# Allegro board LED_FIN.brd (continued)
## Routing (per net, layer and track width the routed paths; a pad name or vN(x,y) marks a point on that pad's centre or on a via; arc(x,y) is an arc through that point) (continued)
  BOTTOM w0.15: v1(137.25,316.8) v1(137.25,314.8) v1(137.25,312.8) v1(137.25,310.8) v1(137.25,308.8) v1(137.25,306.8) v1(137.25,304.8) v1(137.25,302.8) v1(137.25,300.8) v1(137.25,298.8) v1(137.25,296.8) v1(137.25,294.8) v1(137.25,292.8) v1(137.25,290.8) v1(137.25,288.8) v1(137.25,286.8) v1(137.25,284.8) v1(137.25,282.8) v1(137.25,280.8) v1(137.25,278.8) v1(137.25,276.8) v1(137.25,274.8) v1(137.25,272.8) v1(137.25,270.8) v1(137.25,268.8) v1(137.25,266.8) v1(137.25,264.8) v1(137.25,262.8) v1(137.25,260.8) v1(137.25,258.8) v1(137.25,256.8) v1(137.25,254.8) v1(137.25,252.8) v1(137.25,250.8) v1(137.25,248.8) v1(137.25,246.8) v1(137.25,244.8) v1(137.25,242.8) 136.55,242.1 v1(136.55,132.8) ; v1(136.55,128.8) v1(136.55,99.8)
COL_OUT_B71: length 244.8
  TOP w0.15: D6679.1 v1(135.25,252.8) ; D5719.1 v1(135.25,316.8) ; D6439.1 v1(135.25,268.8) ; D6649.1 v1(135.25,254.8) ; D5899.1 v1(135.25,304.8) ; D5779.1 v1(135.25,312.8) ; D6619.1 v1(135.25,256.8) ; D6199.1 v1(135.25,284.8) ; D5869.1 v1(135.25,306.8) ; D6469.1 v1(135.25,266.8) ; D6499.1 v1(135.25,264.8) ; D5989.1 v1(135.25,298.8) ; D6169.1 v1(135.25,286.8) ; D6139.1 v1(135.25,288.8) ; D6079.1 v1(135.25,292.8) ; D6379.1 v1(135.25,272.8) ; D5839.1 v1(135.25,308.8) ; D6229.1 v1(135.25,282.8) ; D6319.1 v1(135.25,276.8) ; D6019.1 v1(135.25,296.8) ; D6589.1 v1(135.25,258.8) ; D5749.1 v1(135.25,314.8) ; D5809.1 v1(135.25,310.8) ; D6829.1 v1(135.25,242.8) ; D6769.1 v1(135.25,246.8) ; D6049.1 v1(135.25,294.8) ; D6289.1 v1(135.25,278.8) ; D6709.1 v1(135.25,250.8) ; D6529.1 v1(135.25,262.8) ; D6109.1 v1(135.25,290.8) ; D6259.1 v1(135.25,280.8) ; D6559.1 v1(135.25,260.8) ; v1(134.55,99.8) R169.1 ; D5959.1 v1(135.25,300.8) ; D6349.1 v1(135.25,274.8) ; D6409.1 v1(135.25,270.8) ; D6739.1 v1(135.25,248.8) ; D5929.1 v1(135.25,302.8) ; D6799.1 v1(135.25,244.8)
  BOTTOM w0.15: v1(134.55,99.8) 134.36,99.99 134.36,131.75 134.55,131.94 134.55,242.1 v1(135.25,242.8) v1(135.25,244.8) v1(135.25,246.8) v1(135.25,248.8) v1(135.25,250.8) v1(135.25,252.8) v1(135.25,254.8) v1(135.25,256.8) v1(135.25,258.8) v1(135.25,260.8) v1(135.25,262.8) v1(135.25,264.8) v1(135.25,266.8) v1(135.25,268.8) v1(135.25,270.8) v1(135.25,272.8) v1(135.25,274.8) v1(135.25,276.8) v1(135.25,278.8) v1(135.25,280.8) v1(135.25,282.8) v1(135.25,284.8) v1(135.25,286.8) v1(135.25,288.8) v1(135.25,290.8) v1(135.25,292.8) v1(135.25,294.8) v1(135.25,296.8) v1(135.25,298.8) v1(135.25,300.8) v1(135.25,302.8) v1(135.25,304.8) v1(135.25,306.8) v1(135.25,308.8) v1(135.25,310.8) v1(135.25,312.8) v1(135.25,314.8) v1(135.25,316.8)
COL_OUT_B72: length 245.1
  TOP w0.15: D6078.1 v1(133.25,292.8) ; D6198.1 v1(133.25,284.8) ; D6468.1 v1(133.25,266.8) ; D6258.1 v1(133.25,280.8) ; D6558.1 v1(133.25,260.8) ; v1(132.55,99.8) R168.1 ; D6378.1 v1(133.25,272.8) ; D5928.1 v1(133.25,302.8) ; D6318.1 v1(133.25,276.8) ; D6708.1 v1(133.25,250.8) ; D6288.1 v1(133.25,278.8) ; D5778.1 v1(133.25,312.8) ; D5898.1 v1(133.25,304.8) ; D6108.1 v1(133.25,290.8) ; D6678.1 v1(133.25,252.8) ; v1(132.55,128.8) 133.02,129.27 133.02,132.33 v1(132.55,132.8) ; D5808.1 v1(133.25,310.8) ; D5868.1 v1(133.25,306.8) ; D6648.1 v1(133.25,254.8) ; D6348.1 v1(133.25,274.8) ; D6798.1 v1(133.25,244.8) ; D5718.1 v1(133.25,316.8) ; D6588.1 v1(133.25,258.8) ; D6768.1 v1(133.25,246.8) ; D6018.1 v1(133.25,296.8) ; D5958.1 v1(133.25,300.8) ; D6498.1 v1(133.25,264.8) ; D6528.1 v1(133.25,262.8) ; D6738.1 v1(133.25,248.8) ; D6138.1 v1(133.25,288.8) ; D6048.1 v1(133.25,294.8) ; D6168.1 v1(133.25,286.8) ; D5748.1 v1(133.25,314.8) ; D6828.1 v1(133.25,242.8) ; D6618.1 v1(133.25,256.8) ; D5988.1 v1(133.25,298.8) ; D6228.1 v1(133.25,282.8) ; D6438.1 v1(133.25,268.8) ; D5838.1 v1(133.25,308.8) ; D6408.1 v1(133.25,270.8)
  BOTTOM w0.15: v1(132.55,128.8) v1(132.55,99.8) ; v1(132.55,132.8) 132.55,242.1 v1(133.25,242.8) v1(133.25,244.8) v1(133.25,246.8) v1(133.25,248.8) v1(133.25,250.8) v1(133.25,252.8) v1(133.25,254.8) v1(133.25,256.8) v1(133.25,258.8) v1(133.25,260.8) v1(133.25,262.8) v1(133.25,264.8) v1(133.25,266.8) v1(133.25,268.8) v1(133.25,270.8) v1(133.25,272.8) v1(133.25,274.8) v1(133.25,276.8) v1(133.25,278.8) v1(133.25,280.8) v1(133.25,282.8) v1(133.25,284.8) v1(133.25,286.8) v1(133.25,288.8) v1(133.25,290.8) v1(133.25,292.8) v1(133.25,294.8) v1(133.25,296.8) v1(133.25,298.8) v1(133.25,300.8) v1(133.25,302.8) v1(133.25,304.8) v1(133.25,306.8) v1(133.25,308.8) v1(133.25,310.8) v1(133.25,312.8) v1(133.25,314.8) v1(133.25,316.8)
COL_OUT_B73: length 245.1
  TOP w0.15: D6437.1 v1(131.25,268.8) ; D6047.1 v1(131.25,294.8) ; D5777.1 v1(131.25,312.8) ; D6647.1 v1(131.25,254.8) ; D6257.1 v1(131.25,280.8) ; D6407.1 v1(131.25,270.8) ; D6347.1 v1(131.25,274.8) ; D6497.1 v1(131.25,264.8) ; D6557.1 v1(131.25,260.8) ; D6197.1 v1(131.25,284.8) ; D6767.1 v1(131.25,246.8) ; D6167.1 v1(131.25,286.8) ; v1(130.55,99.8) R167.1 ; D6797.1 v1(131.25,244.8) ; D6077.1 v1(131.25,292.8) ; D6677.1 v1(131.25,252.8) ; D6017.1 v1(131.25,296.8) ; D5717.1 v1(131.25,316.8) ; D6317.1 v1(131.25,276.8) ; D5837.1 v1(131.25,308.8) ; D5807.1 v1(131.25,310.8) ; D6287.1 v1(131.25,278.8) ; D6587.1 v1(131.25,258.8) ; D6107.1 v1(131.25,290.8) ; D6377.1 v1(131.25,272.8) ; D6617.1 v1(131.25,256.8) ; D6827.1 v1(131.25,242.8) ; D5927.1 v1(131.25,302.8) ; D5897.1 v1(131.25,304.8) ; D5957.1 v1(131.25,300.8) ; D6227.1 v1(131.25,282.8) ; D5867.1 v1(131.25,306.8) ; D6527.1 v1(131.25,262.8) ; D6137.1 v1(131.25,288.8) ; D5987.1 v1(131.25,298.8) ; D5747.1 v1(131.25,314.8) ; D6737.1 v1(131.25,248.8) ; D6707.1 v1(131.25,250.8) ; D6467.1 v1(131.25,266.8)
  BOTTOM w0.15: v1(131.25,316.8) v1(131.25,314.8) v1(131.25,312.8) v1(131.25,310.8) v1(131.25,308.8) v1(131.25,306.8) v1(131.25,304.8) v1(131.25,302.8) v1(131.25,300.8) v1(131.25,298.8) v1(131.25,296.8) v1(131.25,294.8) v1(131.25,292.8) v1(131.25,290.8) v1(131.25,288.8) v1(131.25,286.8) v1(131.25,284.8) v1(131.25,282.8) v1(131.25,280.8) v1(131.25,278.8) v1(131.25,276.8) v1(131.25,274.8) v1(131.25,272.8) v1(131.25,270.8) v1(131.25,268.8) v1(131.25,266.8) v1(131.25,264.8) v1(131.25,262.8) v1(131.25,260.8) v1(131.25,258.8) v1(131.25,256.8) v1(131.25,254.8) v1(131.25,252.8) v1(131.25,250.8) v1(131.25,248.8) v1(131.25,246.8) v1(131.25,244.8) v1(131.25,242.8) 130.55,242.1 130.55,132.72 130.99,132.28 130.99,129.45 130.55,129.01 v1(130.55,99.8)
COL_OUT_B74: length 245.1
  TOP w0.15: D5956.1 v1(129.25,300.8) ; D6586.1 v1(129.25,258.8) ; D6526.1 v1(129.25,262.8) ; D6376.1 v1(129.25,272.8) ; D6496.1 v1(129.25,264.8) ; D6556.1 v1(129.25,260.8) ; D6286.1 v1(129.25,278.8) ; D6766.1 v1(129.25,246.8) ; D6346.1 v1(129.25,274.8) ; D6076.1 v1(129.25,292.8) ; D5896.1 v1(129.25,304.8) ; D6166.1 v1(129.25,286.8) ; D6016.1 v1(129.25,296.8) ; D6226.1 v1(129.25,282.8) ; D6826.1 v1(129.25,242.8) ; D6256.1 v1(129.25,280.8) ; D5926.1 v1(129.25,302.8) ; D6046.1 v1(129.25,294.8) ; D6706.1 v1(129.25,250.8) ; D5836.1 v1(129.25,308.8) ; D6436.1 v1(129.25,268.8) ; D6616.1 v1(129.25,256.8) ; D5986.1 v1(129.25,298.8) ; D5866.1 v1(129.25,306.8) ; D5746.1 v1(129.25,314.8) ; D6796.1 v1(129.25,244.8) ; D6106.1 v1(129.25,290.8) ; D6646.1 v1(129.25,254.8) ; D6316.1 v1(129.25,276.8) ; D5716.1 v1(129.25,316.8) ; D6736.1 v1(129.25,248.8) ; D6466.1 v1(129.25,266.8) ; D6196.1 v1(129.25,284.8) ; D6136.1 v1(129.25,288.8) ; D6676.1 v1(129.25,252.8) ; v1(128.55,99.8) R166.1 ; D6406.1 v1(129.25,270.8) ; D5776.1 v1(129.25,312.8) ; D5806.1 v1(129.25,310.8)
  BOTTOM w0.15: v1(128.55,99.8) 128.08,100.27 128.08,131.75 128.55,132.22 128.55,242.1 v1(129.25,242.8) v1(129.25,244.8) v1(129.25,246.8) v1(129.25,248.8) v1(129.25,250.8) v1(129.25,252.8) v1(129.25,254.8) v1(129.25,256.8) v1(129.25,258.8) v1(129.25,260.8) v1(129.25,262.8) v1(129.25,264.8) v1(129.25,266.8) v1(129.25,268.8) v1(129.25,270.8) v1(129.25,272.8) v1(129.25,274.8) v1(129.25,276.8) v1(129.25,278.8) v1(129.25,280.8) v1(129.25,282.8) v1(129.25,284.8) v1(129.25,286.8) v1(129.25,288.8) v1(129.25,290.8) v1(129.25,292.8) v1(129.25,294.8) v1(129.25,296.8) v1(129.25,298.8) v1(129.25,300.8) v1(129.25,302.8) v1(129.25,304.8) v1(129.25,306.8) v1(129.25,308.8) v1(129.25,310.8) v1(129.25,312.8) v1(129.25,314.8) v1(129.25,316.8)
COL_OUT_B75: length 244.8
  TOP w0.15: D5955.1 v1(127.25,300.8) ; D5745.1 v1(127.25,314.8) ; D6585.1 v1(127.25,258.8) ; D6465.1 v1(127.25,266.8) ; D5985.1 v1(127.25,298.8) ; D5895.1 v1(127.25,304.8) ; D6225.1 v1(127.25,282.8) ; D6105.1 v1(127.25,290.8) ; D6135.1 v1(127.25,288.8) ; D6255.1 v1(127.25,280.8) ; D5715.1 v1(127.25,316.8) ; D5835.1 v1(127.25,308.8) ; D6555.1 v1(127.25,260.8) ; D6765.1 v1(127.25,246.8) ; D6315.1 v1(127.25,276.8) ; D5775.1 v1(127.25,312.8) ; D6825.1 v1(127.25,242.8) ; D6705.1 v1(127.25,250.8) ; D6675.1 v1(127.25,252.8) ; D5925.1 v1(127.25,302.8) ; D6735.1 v1(127.25,248.8) ; D6495.1 v1(127.25,264.8) ; D6015.1 v1(127.25,296.8) ; D6345.1 v1(127.25,274.8) ; v1(126.55,132.8) 126.74,132.61 126.74,128.99 v1(126.55,128.8) ; D6645.1 v1(127.25,254.8) ; D6165.1 v1(127.25,286.8) ; D6075.1 v1(127.25,292.8) ; D6615.1 v1(127.25,256.8) ; D6195.1 v1(127.25,284.8) ; D5805.1 v1(127.25,310.8) ; D6375.1 v1(127.25,272.8) ; D6045.1 v1(127.25,294.8) ; D5865.1 v1(127.25,306.8) ; D6435.1 v1(127.25,268.8) ; D6405.1 v1(127.25,270.8) ; D6285.1 v1(127.25,278.8) ; D6525.1 v1(127.25,262.8) ; v1(126.55,99.8) R165.1 ; D6795.1 v1(127.25,244.8)
  BOTTOM w0.15: v1(127.25,316.8) v1(127.25,314.8) v1(127.25,312.8) v1(127.25,310.8) v1(127.25,308.8) v1(127.25,306.8) v1(127.25,304.8) v1(127.25,302.8) v1(127.25,300.8) v1(127.25,298.8) v1(127.25,296.8) v1(127.25,294.8) v1(127.25,292.8) v1(127.25,290.8) v1(127.25,288.8) v1(127.25,286.8) v1(127.25,284.8) v1(127.25,282.8) v1(127.25,280.8) v1(127.25,278.8) v1(127.25,276.8) v1(127.25,274.8) v1(127.25,272.8) v1(127.25,270.8) v1(127.25,268.8) v1(127.25,266.8) v1(127.25,264.8) v1(127.25,262.8) v1(127.25,260.8) v1(127.25,258.8) v1(127.25,256.8) v1(127.25,254.8) v1(127.25,252.8) v1(127.25,250.8) v1(127.25,248.8) v1(127.25,246.8) v1(127.25,244.8) v1(127.25,242.8) 126.55,242.1 v1(126.55,132.8) ; v1(126.55,128.8) v1(126.55,99.8)
COL_OUT_B76: length 244.9
  TOP w0.15: D5924.1 v1(125.25,302.8) ; v1(124.55,99.8) R164.1 ; D6314.1 v1(125.25,276.8) ; D6404.1 v1(125.25,270.8) ; D6554.1 v1(125.25,260.8) ; D6374.1 v1(125.25,272.8) ; D5834.1 v1(125.25,308.8) ; D5954.1 v1(125.25,300.8) ; D6284.1 v1(125.25,278.8) ; D6464.1 v1(125.25,266.8) ; D6494.1 v1(125.25,264.8) ; D5714.1 v1(125.25,316.8) ; D6344.1 v1(125.25,274.8) ; D6674.1 v1(125.25,252.8) ; D6014.1 v1(125.25,296.8) ; D6044.1 v1(125.25,294.8) ; D5774.1 v1(125.25,312.8) ; D6794.1 v1(125.25,244.8) ; D5894.1 v1(125.25,304.8) ; D6134.1 v1(125.25,288.8) ; D5744.1 v1(125.25,314.8) ; D6584.1 v1(125.25,258.8) ; D6734.1 v1(125.25,248.8) ; D5984.1 v1(125.25,298.8) ; D5864.1 v1(125.25,306.8) ; D6524.1 v1(125.25,262.8) ; D6824.1 v1(125.25,242.8) ; D6104.1 v1(125.25,290.8) ; D6224.1 v1(125.25,282.8) ; D6194.1 v1(125.25,284.8) ; D6764.1 v1(125.25,246.8) ; D5804.1 v1(125.25,310.8) ; D6614.1 v1(125.25,256.8) ; D6254.1 v1(125.25,280.8) ; D6164.1 v1(125.25,286.8) ; D6434.1 v1(125.25,268.8) ; D6074.1 v1(125.25,292.8) ; D6644.1 v1(125.25,254.8) ; D6704.1 v1(125.25,250.8)
  BOTTOM w0.15: v1(125.25,316.8) v1(125.25,314.8) v1(125.25,312.8) v1(125.25,310.8) v1(125.25,308.8) v1(125.25,306.8) v1(125.25,304.8) v1(125.25,302.8) v1(125.25,300.8) v1(125.25,298.8) v1(125.25,296.8) v1(125.25,294.8) v1(125.25,292.8) v1(125.25,290.8) v1(125.25,288.8) v1(125.25,286.8) v1(125.25,284.8) v1(125.25,282.8) v1(125.25,280.8) v1(125.25,278.8) v1(125.25,276.8) v1(125.25,274.8) v1(125.25,272.8) v1(125.25,270.8) v1(125.25,268.8) v1(125.25,266.8) v1(125.25,264.8) v1(125.25,262.8) v1(125.25,260.8) v1(125.25,258.8) v1(125.25,256.8) v1(125.25,254.8) v1(125.25,252.8) v1(125.25,250.8) v1(125.25,248.8) v1(125.25,246.8) v1(125.25,244.8) v1(125.25,242.8) 124.55,242.1 124.55,132.03 124.27,131.75 124.27,100.58 124.55,100.3 v1(124.55,99.8)
COL_OUT_B77: length 245
  TOP w0.15: D6043.1 v1(123.25,294.8) ; v1(122.55,128.8) 122.93,129.18 122.93,132.42 v1(122.55,132.8) ; D6703.1 v1(123.25,250.8) ; D6193.1 v1(123.25,284.8) ; D5953.1 v1(123.25,300.8) ; D6313.1 v1(123.25,276.8) ; D6253.1 v1(123.25,280.8) ; D6643.1 v1(123.25,254.8) ; D6343.1 v1(123.25,274.8) ; D6673.1 v1(123.25,252.8) ; D6493.1 v1(123.25,264.8) ; D5773.1 v1(123.25,312.8) ; v1(122.55,99.8) R163.1 ; D6403.1 v1(123.25,270.8) ; D5833.1 v1(123.25,308.8) ; D6133.1 v1(123.25,288.8) ; D6553.1 v1(123.25,260.8) ; D5923.1 v1(123.25,302.8) ; D6763.1 v1(123.25,246.8) ; D6073.1 v1(123.25,292.8) ; D6823.1 v1(123.25,242.8) ; D6463.1 v1(123.25,266.8) ; D6613.1 v1(123.25,256.8) ; D6793.1 v1(123.25,244.8) ; D6283.1 v1(123.25,278.8) ; D6583.1 v1(123.25,258.8) ; D5713.1 v1(123.25,316.8) ; D6733.1 v1(123.25,248.8) ; D6223.1 v1(123.25,282.8) ; D5743.1 v1(123.25,314.8) ; D6523.1 v1(123.25,262.8) ; D5893.1 v1(123.25,304.8) ; D5983.1 v1(123.25,298.8) ; D6433.1 v1(123.25,268.8) ; D6103.1 v1(123.25,290.8) ; D6163.1 v1(123.25,286.8) ; D6013.1 v1(123.25,296.8) ; D5803.1 v1(123.25,310.8) ; D5863.1 v1(123.25,306.8) ; D6373.1 v1(123.25,272.8)
  BOTTOM w0.15: v1(122.55,128.8) v1(122.55,99.8) ; v1(123.25,316.8) v1(123.25,314.8) v1(123.25,312.8) v1(123.25,310.8) v1(123.25,308.8) v1(123.25,306.8) v1(123.25,304.8) v1(123.25,302.8) v1(123.25,300.8) v1(123.25,298.8) v1(123.25,296.8) v1(123.25,294.8) v1(123.25,292.8) v1(123.25,290.8) v1(123.25,288.8) v1(123.25,286.8) v1(123.25,284.8) v1(123.25,282.8) v1(123.25,280.8) v1(123.25,278.8) v1(123.25,276.8) v1(123.25,274.8) v1(123.25,272.8) v1(123.25,270.8) v1(123.25,268.8) v1(123.25,266.8) v1(123.25,264.8) v1(123.25,262.8) v1(123.25,260.8) v1(123.25,258.8) v1(123.25,256.8) v1(123.25,254.8) v1(123.25,252.8) v1(123.25,250.8) v1(123.25,248.8) v1(123.25,246.8) v1(123.25,244.8) v1(123.25,242.8) 122.55,242.1 v1(122.55,132.8)
COL_OUT_B78: length 244.8
  TOP w0.15: D6072.1 v1(121.25,292.8) ; D5742.1 v1(121.25,314.8) ; D6762.1 v1(121.25,246.8) ; D6252.1 v1(121.25,280.8) ; D6612.1 v1(121.25,256.8) ; D5982.1 v1(121.25,298.8) ; D6312.1 v1(121.25,276.8) ; D6222.1 v1(121.25,282.8) ; D6132.1 v1(121.25,288.8) ; D6042.1 v1(121.25,294.8) ; D5832.1 v1(121.25,308.8) ; D6552.1 v1(121.25,260.8) ; D5922.1 v1(121.25,302.8) ; D6282.1 v1(121.25,278.8) ; D5712.1 v1(121.25,316.8) ; D6522.1 v1(121.25,262.8) ; D6192.1 v1(121.25,284.8) ; D5892.1 v1(121.25,304.8) ; D5952.1 v1(121.25,300.8) ; D6342.1 v1(121.25,274.8) ; D6822.1 v1(121.25,242.8) ; D6672.1 v1(121.25,252.8) ; D5772.1 v1(121.25,312.8) ; D5862.1 v1(121.25,306.8) ; D6012.1 v1(121.25,296.8) ; D6582.1 v1(121.25,258.8) ; v1(120.55,99.8) R162.1 ; D6402.1 v1(121.25,270.8) ; D6162.1 v1(121.25,286.8) ; D6102.1 v1(121.25,290.8) ; D6732.1 v1(121.25,248.8) ; D5802.1 v1(121.25,310.8) ; D6462.1 v1(121.25,266.8) ; D6372.1 v1(121.25,272.8) ; D6792.1 v1(121.25,244.8) ; D6492.1 v1(121.25,264.8) ; D6702.1 v1(121.25,250.8) ; D6432.1 v1(121.25,268.8) ; D6642.1 v1(121.25,254.8)
  BOTTOM w0.15: v1(120.55,99.8) 120.46,99.89 120.46,242.01 v1(121.25,242.8) v1(121.25,244.8) v1(121.25,246.8) v1(121.25,248.8) v1(121.25,250.8) v1(121.25,252.8) v1(121.25,254.8) v1(121.25,256.8) v1(121.25,258.8) v1(121.25,260.8) v1(121.25,262.8) v1(121.25,264.8) v1(121.25,266.8) v1(121.25,268.8) v1(121.25,270.8) v1(121.25,272.8) v1(121.25,274.8) v1(121.25,276.8) v1(121.25,278.8) v1(121.25,280.8) v1(121.25,282.8) v1(121.25,284.8) v1(121.25,286.8) v1(121.25,288.8) v1(121.25,290.8) v1(121.25,292.8) v1(121.25,294.8) v1(121.25,296.8) v1(121.25,298.8) v1(121.25,300.8) v1(121.25,302.8) v1(121.25,304.8) v1(121.25,306.8) v1(121.25,308.8) v1(121.25,310.8) v1(121.25,312.8) v1(121.25,314.8) v1(121.25,316.8)
COL_OUT_B79: length 245.2
  TOP w0.15: v1(118.55,132.8) 119.12,132.23 119.12,129.37 v1(118.55,128.8) ; D5921.1 v1(119.25,302.8) ; D6221.1 v1(119.25,282.8) ; D5891.1 v1(119.25,304.8) ; D5951.1 v1(119.25,300.8) ; D6431.1 v1(119.25,268.8) ; D6101.1 v1(119.25,290.8) ; D6611.1 v1(119.25,256.8) ; D5711.1 v1(119.25,316.8) ; D6341.1 v1(119.25,274.8) ; D6641.1 v1(119.25,254.8) ; D5831.1 v1(119.25,308.8) ; D5741.1 v1(119.25,314.8) ; D6401.1 v1(119.25,270.8) ; D6131.1 v1(119.25,288.8) ; D6521.1 v1(119.25,262.8) ; D6791.1 v1(119.25,244.8) ; D6731.1 v1(119.25,248.8) ; D6011.1 v1(119.25,296.8) ; D6041.1 v1(119.25,294.8) ; D6071.1 v1(119.25,292.8) ; D6551.1 v1(119.25,260.8) ; D6581.1 v1(119.25,258.8) ; D6491.1 v1(119.25,264.8) ; D5981.1 v1(119.25,298.8) ; D6671.1 v1(119.25,252.8) ; D6371.1 v1(119.25,272.8) ; D5861.1 v1(119.25,306.8) ; D6251.1 v1(119.25,280.8) ; D6461.1 v1(119.25,266.8) ; D6161.1 v1(119.25,286.8) ; D6281.1 v1(119.25,278.8) ; D6191.1 v1(119.25,284.8) ; D6761.1 v1(119.25,246.8) ; D6701.1 v1(119.25,250.8) ; D5771.1 v1(119.25,312.8) ; D6821.1 v1(119.25,242.8) ; v1(118.55,99.8) R161.1 ; D5801.1 v1(119.25,310.8) ; D6311.1 v1(119.25,276.8)
  BOTTOM w0.15: v1(118.55,132.8) 118.55,242.1 v1(119.25,242.8) v1(119.25,244.8) v1(119.25,246.8) v1(119.25,248.8) v1(119.25,250.8) v1(119.25,252.8) v1(119.25,254.8) v1(119.25,256.8) v1(119.25,258.8) v1(119.25,260.8) v1(119.25,262.8) v1(119.25,264.8) v1(119.25,266.8) v1(119.25,268.8) v1(119.25,270.8) v1(119.25,272.8) v1(119.25,274.8) v1(119.25,276.8) v1(119.25,278.8) v1(119.25,280.8) v1(119.25,282.8) v1(119.25,284.8) v1(119.25,286.8) v1(119.25,288.8) v1(119.25,290.8) v1(119.25,292.8) v1(119.25,294.8) v1(119.25,296.8) v1(119.25,298.8) v1(119.25,300.8) v1(119.25,302.8) v1(119.25,304.8) v1(119.25,306.8) v1(119.25,308.8) v1(119.25,310.8) v1(119.25,312.8) v1(119.25,314.8) v1(119.25,316.8) ; v1(118.55,128.8) v1(118.55,99.8)
COL_OUT_B80: length 244.7
  TOP w0.15: D6370.1 v1(117.25,272.8) ; D5980.1 v1(117.25,298.8) ; D6700.1 v1(117.25,250.8) ; D6610.1 v1(117.25,256.8) ; D6550.1 v1(117.25,260.8) ; D5710.1 v1(117.25,316.8) ; D6520.1 v1(117.25,262.8) ; D5890.1 v1(117.25,304.8) ; D6340.1 v1(117.25,274.8) ; D5770.1 v1(117.25,312.8) ; D5830.1 v1(117.25,308.8) ; D6010.1 v1(117.25,296.8) ; D6160.1 v1(117.25,286.8) ; D6430.1 v1(117.25,268.8) ; D6190.1 v1(117.25,284.8) ; D6040.1 v1(117.25,294.8) ; v1(116.55,132.8) 116.58,132.77 116.58,128.83 v1(116.55,128.8) ; D6730.1 v1(117.25,248.8) ; D6640.1 v1(117.25,254.8) ; D6760.1 v1(117.25,246.8) ; D6130.1 v1(117.25,288.8) ; D6820.1 v1(117.25,242.8) ; D6460.1 v1(117.25,266.8) ; D5920.1 v1(117.25,302.8) ; D5950.1 v1(117.25,300.8) ; D5740.1 v1(117.25,314.8) ; D6280.1 v1(117.25,278.8) ; D6490.1 v1(117.25,264.8) ; D6250.1 v1(117.25,280.8) ; D5860.1 v1(117.25,306.8) ; D6790.1 v1(117.25,244.8) ; D6220.1 v1(117.25,282.8) ; D5800.1 v1(117.25,310.8) ; D6070.1 v1(117.25,292.8) ; v1(116.55,99.8) R160.1 ; D6670.1 v1(117.25,252.8) ; D6100.1 v1(117.25,290.8) ; D6580.1 v1(117.25,258.8) ; D6310.1 v1(117.25,276.8) ; D6400.1 v1(117.25,270.8)
  BOTTOM w0.15: v1(116.55,128.8) v1(116.55,99.8) ; v1(116.55,132.8) 116.55,242.1 v1(117.25,242.8) v1(117.25,244.8) v1(117.25,246.8) v1(117.25,248.8) v1(117.25,250.8) v1(117.25,252.8) v1(117.25,254.8) v1(117.25,256.8) v1(117.25,258.8) v1(117.25,260.8) v1(117.25,262.8) v1(117.25,264.8) v1(117.25,266.8) v1(117.25,268.8) v1(117.25,270.8) v1(117.25,272.8) v1(117.25,274.8) v1(117.25,276.8) v1(117.25,278.8) v1(117.25,280.8) v1(117.25,282.8) v1(117.25,284.8) v1(117.25,286.8) v1(117.25,288.8) v1(117.25,290.8) v1(117.25,292.8) v1(117.25,294.8) v1(117.25,296.8) v1(117.25,298.8) v1(117.25,300.8) v1(117.25,302.8) v1(117.25,304.8) v1(117.25,306.8) v1(117.25,308.8) v1(117.25,310.8) v1(117.25,312.8) v1(117.25,314.8) v1(117.25,316.8)
COL_OUT_B81: length 245.1
  TOP w0.15: D6489.1 v1(115.25,264.8) ; D5889.1 v1(115.25,304.8) ; D6309.1 v1(115.25,276.8) ; D5859.1 v1(115.25,306.8) ; D5739.1 v1(115.25,314.8) ; D6729.1 v1(115.25,248.8) ; D5979.1 v1(115.25,298.8) ; D6639.1 v1(115.25,254.8) ; D5919.1 v1(115.25,302.8) ; D6129.1 v1(115.25,288.8) ; D5709.1 v1(115.25,316.8) ; D6249.1 v1(115.25,280.8) ; D5829.1 v1(115.25,308.8) ; D6039.1 v1(115.25,294.8) ; D5799.1 v1(115.25,310.8) ; D6819.1 v1(115.25,242.8) ; v1(114.55,99.8) R159.1 ; D6609.1 v1(115.25,256.8) ; D6669.1 v1(115.25,252.8) ; D6759.1 v1(115.25,246.8) ; D6219.1 v1(115.25,282.8) ; D6519.1 v1(115.25,262.8) ; D6459.1 v1(115.25,266.8) ; D6369.1 v1(115.25,272.8) ; D6189.1 v1(115.25,284.8) ; D6009.1 v1(115.25,296.8) ; D6549.1 v1(115.25,260.8) ; D6069.1 v1(115.25,292.8) ; D5769.1 v1(115.25,312.8) ; D6429.1 v1(115.25,268.8) ; D6339.1 v1(115.25,274.8) ; D6399.1 v1(115.25,270.8) ; D6279.1 v1(115.25,278.8) ; D6789.1 v1(115.25,244.8) ; D5949.1 v1(115.25,300.8) ; D6699.1 v1(115.25,250.8) ; D6099.1 v1(115.25,290.8) ; D6579.1 v1(115.25,258.8) ; D6159.1 v1(115.25,286.8)
  BOTTOM w0.15: v1(114.55,99.8) 114.11,100.24 114.11,132.36 114.55,132.8 114.55,242.1 v1(115.25,242.8) v1(115.25,244.8) v1(115.25,246.8) v1(115.25,248.8) v1(115.25,250.8) v1(115.25,252.8) v1(115.25,254.8) v1(115.25,256.8) v1(115.25,258.8) v1(115.25,260.8) v1(115.25,262.8) v1(115.25,264.8) v1(115.25,266.8) v1(115.25,268.8) v1(115.25,270.8) v1(115.25,272.8) v1(115.25,274.8) v1(115.25,276.8) v1(115.25,278.8) v1(115.25,280.8) v1(115.25,282.8) v1(115.25,284.8) v1(115.25,286.8) v1(115.25,288.8) v1(115.25,290.8) v1(115.25,292.8) v1(115.25,294.8) v1(115.25,296.8) v1(115.25,298.8) v1(115.25,300.8) v1(115.25,302.8) v1(115.25,304.8) v1(115.25,306.8) v1(115.25,308.8) v1(115.25,310.8) v1(115.25,312.8) v1(115.25,314.8) v1(115.25,316.8)
COL_OUT_B82: length 244.9
  TOP w0.15: D6188.1 v1(113.25,284.8) ; D5918.1 v1(113.25,302.8) ; v1(112.55,99.8) R158.1 ; D6818.1 v1(113.25,242.8) ; D6578.1 v1(113.25,258.8) ; D6278.1 v1(113.25,278.8) ; D6488.1 v1(113.25,264.8) ; D6668.1 v1(113.25,252.8) ; D5948.1 v1(113.25,300.8) ; D5708.1 v1(113.25,316.8) ; D5828.1 v1(113.25,308.8) ; D6008.1 v1(113.25,296.8) ; D6728.1 v1(113.25,248.8) ; D6038.1 v1(113.25,294.8) ; D6458.1 v1(113.25,266.8) ; D6098.1 v1(113.25,290.8) ; D6248.1 v1(113.25,280.8) ; D6218.1 v1(113.25,282.8) ; D6338.1 v1(113.25,274.8) ; D6398.1 v1(113.25,270.8) ; D5738.1 v1(113.25,314.8) ; D5798.1 v1(113.25,310.8) ; D6518.1 v1(113.25,262.8) ; D6428.1 v1(113.25,268.8) ; v1(112.55,132.8) 112.55,132.3 112.77,132.08 112.77,129.52 112.55,129.3 v1(112.55,128.8) ; D6068.1 v1(113.25,292.8) ; D6608.1 v1(113.25,256.8) ; D6128.1 v1(113.25,288.8) ; D6758.1 v1(113.25,246.8) ; D5858.1 v1(113.25,306.8) ; D5888.1 v1(113.25,304.8) ; D6158.1 v1(113.25,286.8) ; D5768.1 v1(113.25,312.8) ; D6308.1 v1(113.25,276.8) ; D5978.1 v1(113.25,298.8) ; D6548.1 v1(113.25,260.8) ; D6638.1 v1(113.25,254.8) ; D6368.1 v1(113.25,272.8) ; D6698.1 v1(113.25,250.8) ; D6788.1 v1(113.25,244.8)
  BOTTOM w0.15: v1(112.55,132.8) 112.55,242.1 v1(113.25,242.8) v1(113.25,244.8) v1(113.25,246.8) v1(113.25,248.8) v1(113.25,250.8) v1(113.25,252.8) v1(113.25,254.8) v1(113.25,256.8) v1(113.25,258.8) v1(113.25,260.8) v1(113.25,262.8) v1(113.25,264.8) v1(113.25,266.8) v1(113.25,268.8) v1(113.25,270.8) v1(113.25,272.8) v1(113.25,274.8) v1(113.25,276.8) v1(113.25,278.8) v1(113.25,280.8) v1(113.25,282.8) v1(113.25,284.8) v1(113.25,286.8) v1(113.25,288.8) v1(113.25,290.8) v1(113.25,292.8) v1(113.25,294.8) v1(113.25,296.8) v1(113.25,298.8) v1(113.25,300.8) v1(113.25,302.8) v1(113.25,304.8) v1(113.25,306.8) v1(113.25,308.8) v1(113.25,310.8) v1(113.25,312.8) v1(113.25,314.8) v1(113.25,316.8) ; v1(112.55,128.8) v1(112.55,99.8)
COL_OUT_B83: length 244.9
  TOP w0.15: D6007.1 v1(111.25,296.8) ; D6157.1 v1(111.25,286.8) ; D6127.1 v1(111.25,288.8) ; D6547.1 v1(111.25,260.8) ; D5767.1 v1(111.25,312.8) ; D6277.1 v1(111.25,278.8) ; D6037.1 v1(111.25,294.8) ; D5857.1 v1(111.25,306.8) ; D6247.1 v1(111.25,280.8) ; D6217.1 v1(111.25,282.8) ; D6427.1 v1(111.25,268.8) ; D5797.1 v1(111.25,310.8) ; D6187.1 v1(111.25,284.8) ; D6397.1 v1(111.25,270.8) ; D6697.1 v1(111.25,250.8) ; D6667.1 v1(111.25,252.8) ; D6517.1 v1(111.25,262.8) ; D6577.1 v1(111.25,258.8) ; D5707.1 v1(111.25,316.8) ; D6727.1 v1(111.25,248.8) ; D6487.1 v1(111.25,264.8) ; D6757.1 v1(111.25,246.8) ; D6607.1 v1(111.25,256.8) ; D5947.1 v1(111.25,300.8) ; D5977.1 v1(111.25,298.8) ; D6787.1 v1(111.25,244.8) ; D5827.1 v1(111.25,308.8) ; D6367.1 v1(111.25,272.8) ; D5737.1 v1(111.25,314.8) ; D6457.1 v1(111.25,266.8) ; D6817.1 v1(111.25,242.8) ; v1(110.55,99.8) R157.1 ; D5887.1 v1(111.25,304.8) ; D5917.1 v1(111.25,302.8) ; D6097.1 v1(111.25,290.8) ; D6067.1 v1(111.25,292.8) ; D6637.1 v1(111.25,254.8) ; D6307.1 v1(111.25,276.8) ; D6337.1 v1(111.25,274.8)
  BOTTOM w0.15: v1(110.55,99.8) 110.55,100.3 110.3,100.55 110.3,132.55 110.55,132.8 110.55,242.1 v1(111.25,242.8) v1(111.25,244.8) v1(111.25,246.8) v1(111.25,248.8) v1(111.25,250.8) v1(111.25,252.8) v1(111.25,254.8) v1(111.25,256.8) v1(111.25,258.8) v1(111.25,260.8) v1(111.25,262.8) v1(111.25,264.8) v1(111.25,266.8) v1(111.25,268.8) v1(111.25,270.8) v1(111.25,272.8) v1(111.25,274.8) v1(111.25,276.8) v1(111.25,278.8) v1(111.25,280.8) v1(111.25,282.8) v1(111.25,284.8) v1(111.25,286.8) v1(111.25,288.8) v1(111.25,290.8) v1(111.25,292.8) v1(111.25,294.8) v1(111.25,296.8) v1(111.25,298.8) v1(111.25,300.8) v1(111.25,302.8) v1(111.25,304.8) v1(111.25,306.8) v1(111.25,308.8) v1(111.25,310.8) v1(111.25,312.8) v1(111.25,314.8) v1(111.25,316.8)
